# Altium PCB Fri3D_2020_03.PcbDoc (part 2 of 3) (continued)
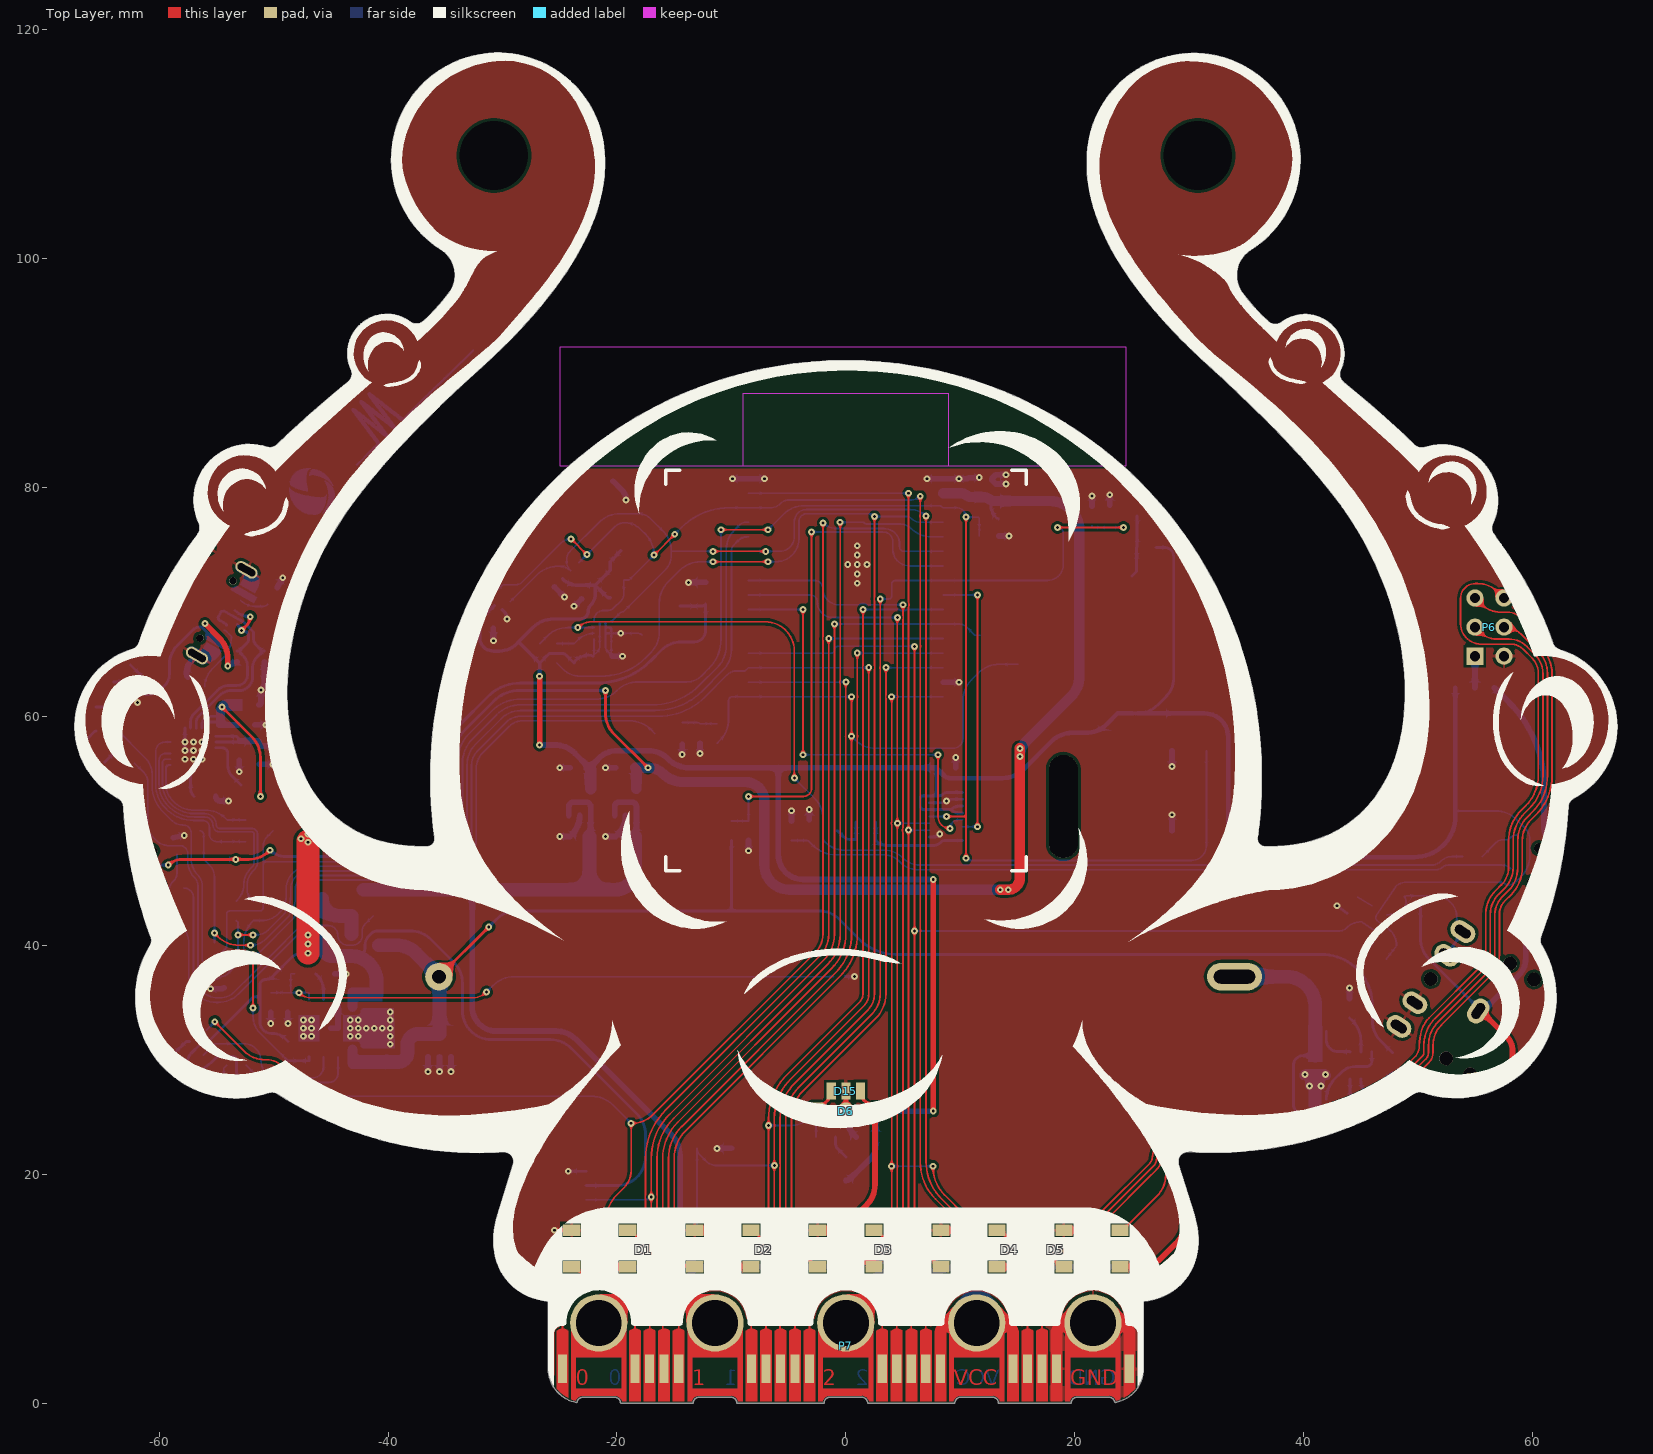
[diagram p0: Top Layer view]
## Nets (pads, with @x,y where several pads share a name; then routed paths per layer and width w, separated by ;. In a path a pad name is that pad's centre, name@x,y a point inside that pad or via, vN(x,y) a via of type N, cw(c..) or ccw(c..) an arc to the next point about the centre after c; other vN are vias at no path point) (continued)
ESP.IO26: MOD1.11 P7.3 P8.2 P9.3 | length 90.6
  Top Layer w0.15: P7.3@-18.415,3 -18.415,6.664 cw(c-16.384,6.664) -17.82,8.1 -17.615,8.305 ccw(c-19.1,9.79) -17,9.79 v1(-17,18) -17,21.385 cw(c-11.583,21.385) -15.413,25.215 -1.926,38.702 ccw(c-4.163,40.939) -1,40.939 -1,66.628 ccw(c-1.5,66.788) -1,66.948 v1(-1,68.058)
  Bottom Layer w0.15: P9.3@-22.7,17.75 -17.604,17.75 ccw(c-17.604,18.604) v1(-17,18) ; v1(-1,68.058) MOD1.11@8.5,68.058 9.944,68.058 cw(c9.944,67.21) 10.544,67.81 11.274,67.08 P8.2@11.75,67.08
ESP.IO27: MOD1.12 P7.2 | length 77.6
  Top Layer w0.15: P7.2@-21.59,7 -18.244,10.346 ccw(c-20.04,12.142) -17.5,12.142 -17.5,16.5 -17.5,17.84 cw(c-17,18) -17.5,18.16 -17.5,21.385 cw(c-11.583,21.385) -15.767,25.569 -2.28,39.056 ccw(c-4.163,40.939) -1.5,40.939 v1(-1.5,66.788)
  Bottom Layer w0.15: v1(-1.5,66.788) MOD1.12@8.5,66.788
ESP.IO32: MOD1.8 P7.11 R5.1 T1.1 | length 100.9
  Top Layer w0.15: P7.11@-4.445,3 -4.445,7.329 ccw(c-6.101,7.329) -4.93,8.5 cw(c-4.157,9.273) -5.25,9.273 -5.25,24.868 cw(c-1.414,24.868) -4.127,27.581 2.27,33.977 ccw(c0.506,35.74) 3,35.74 3,46.913 3,64.088 cw(c3.5,64.248) 2.975,64.248 cw(c3.5,64.248) 3,64.408 v1(3,70.25) ; v1(18.5,76.5) v1(24.25,76.5)
  Bottom Layer w0.15: v1(3,70.25) 3.75,70.25 ccw(c3.75,70.5) 4,70.5 4,71.53 cw(c4.338,71.53) 4.338,71.868 MOD1.8@8.5,71.868 17.628,71.868 ccw(c17.628,73.24) 19,73.24 19,76 ccw(c18.5,76) v1(18.5,76.5) ; R5.1@21.5,76.65 ccw(c21.65,76.65) 21.65,76.5 v1(24.25,76.5)
ESP.IO33: MOD1.9 P1.11 | length 24.6
  Top Layer w0.15: v1(11.5,50.35) v1(11.5,70.6)
  Bottom Layer w0.15: MOD1.9@8.5,70.598 11.498,70.598 v1(11.5,70.6) ; P1.11@10.188,50.35 v1(11.5,50.35)
ESP.IO34: MOD1.6 P7.1 R19.1 | length 138
  Top Layer w0.15: v1(-55.134,33.318) -52.56,30.744 ccw(c-50.764,32.54) -50.764,30 -50.626,30 cw(c-50.626,28.006) -49.217,29.417 cw(c-50.626,28.006) -49.216,29.416 v1(-47.2,27.4) ; P7.1@-24.765,3 -24.765,9.329 ccw(c-26.421,9.329) -25.25,10.5 cw(c-24.043,11.707) -25.75,11.707 -25.75,12.5 cw(c-25,12.5) -25,13.25 -23.802,13.25 ccw(c-23.802,15.79) -22.006,13.994 -21.531,14.469 ccw(c-22.79,15.727) -21.01,15.727 cw(c-17.479,15.727) -19.976,18.224 -19.368,18.832 ccw(c-20.835,20.298) -18.761,20.298 v1(-18.761,24.439) -18.656,24.439 ccw(c-18.656,26.979) -16.86,25.183 -2.633,39.409 ccw(c-4.163,40.939) -2,40.939 -2,66.628 cw(c-1.5,66.788) -2,66.948 v1(-2,76.9)
  Bottom Layer w0.15: R19.1@-55.851,32.601 v1(-55.134,33.318) ; v1(-47.2,27.4) ccw(c-45.756,28.844) -45.756,26.802 -22.176,26.802 cw(c-22.176,24.262) -20.38,26.058 v1(-18.761,24.439) ; v1(-2,76.9) ccw(c-0.793,78.107) -0.793,76.4 3.334,76.4 cw(c3.334,75.04) 4.693,75.04 4.693,74.807 ccw(c5.092,74.807) 5.092,74.408 MOD1.6@8.5,74.408
ESP.IO36: MOD1.4 P7.10 R39.2 | length 121.3
  Top Layer w0.15: v1(-11.6,73.5) v1(-6.8,73.5) ; P7.10@-5.715,3 -5.75,3.035 -5.75,20.022 -5.75,20.59 ccw(c-6.25,20.75) -5.75,20.91 -5.75,24.868 cw(c-1.414,24.868) -4.48,27.934 1.916,34.33 ccw(c0.506,35.74) 2.5,35.74 2.5,64.088 ccw(c2,64.248) 2.5,64.408 2.5,70.09 cw(c3,70.25) 2.5,70.41 v1(2.5,77.448)
  Bottom Layer w0.15: R39.2@-25.25,64.65 -24.73,64.13 ccw(c-23.209,65.652) -23.209,63.5 -21.39,63.5 ccw(c-21.39,69.028) -17.481,65.119 -17.044,65.556 ccw(c-18.84,67.352) -16.3,67.352 -16.3,69.905 cw(c-13.76,69.905) -15.556,71.701 -14.501,72.756 cw(c-12.705,70.96) -12.705,73.5 v1(-11.6,73.5) ; v1(-6.8,73.5) -6.12,73.5 ccw(c-6.12,75.52) -4.1,75.52 -4.1,77 cw(c-3.4,77) -3.4,77.7 1.891,77.7 cw(c1.891,76.839) v1(2.5,77.448) 5.343,77.448 cw(c5.343,76.943) 5.7,77.3 ccw(c6.55,78.15) 6.55,76.948 MOD1.4@8.5,76.948
ESP.IO39: MOD1.5 P7.4 | length 89.7
  Top Layer w0.15: P7.4@-17.145,3 -17.145,7.209 cw(c-16.309,7.209) -16.9,7.8 ccw(c-17.866,8.766) -16.5,8.766 -16.5,17.406 -16.5,17.84 ccw(c-17,18) -16.5,18.16 -16.5,18.839 -16.5,21.385 cw(c-11.583,21.385) -15.06,24.862 -1.573,38.348 ccw(c-4.163,40.939) -0.5,40.939 -0.5,62.84 cw(c0,63) -0.5,63.16 -0.5,67.898 ccw(c-1,68.058) -0.498,68.21 v1(-0.498,76.948)
  Bottom Layer w0.15: v1(-0.498,76.948) 1.484,76.948 cw(c1.484,76.784) 1.6,76.9 ccw(c1.841,77.141) 1.841,76.8 4.765,76.8 cw(c4.765,75.509) 5.678,76.422 ccw(c7.474,78.218) 7.474,75.678 MOD1.5@8.5,75.678
ESP.RESET: C8.1 MOD1.3 P1.8 P3.4 R8.2 SW2.1 T2.3 | length 165.9
  Top Layer w0.15: v1(-10.916,76.3) v1(-6.8,76.3) ; v1(8.8,51.25) 10.5,51.25 ; v1(10.5,47.6) 10.5,51.25 ; v1(10.5,77.4) 10.5,51.25
  Bottom Layer w0.15: P3.4@-54.958,39.228 ccw(c-54.958,39.919) -54.47,39.43 -54.2,39.7 ccw(c-54.441,39.941) -54.1,39.941 -54.1,42.7 cw(c-53.8,42.7) -53.8,43 -51.19,43 ccw(c-51.19,43.29) -50.9,43.29 -50.9,47.288 ; -50.56,49.49 ccw(c-49.74,48.67) -50.9,48.67 -50.9,47.288 ; -50.56,49.49 T2.3@-50.05,50 ; v1(-10.916,76.3) -10.916,66.692 cw(c-14.465,66.692) -11.956,64.183 -12.595,63.544 cw(c-13.907,64.856) -13.907,63 -18.198,63 ccw(c-18.198,60.46) -19.994,62.256 -20.006,62.244 cw(c-21.802,64.04) -21.802,61.5 -28.427,61.5 ccw(c-28.427,57.944) -30.941,60.459 -32.904,58.496 ccw(c-30.498,56.091) -33.9,56.091 -33.9,49.264 cw(c-35.876,49.264) -35.876,47.288 -50.9,47.288 ; v1(-6.8,76.3) -5.444,77.656 cw(c-3.648,75.86) -3.648,78.4 8.061,78.4 cw(c8.061,77.779) MOD1.3@8.5,78.218 9.682,78.218 cw(c9.682,77.4) v1(10.5,77.4) 11.5,77.4 cw(c11.5,77.25) R8.2@11.65,77.25 C8.1@11.65,75.75 ; P1.8@7.312,51.25 v1(8.8,51.25) ; v1(10.5,47.6) ccw(c10.983,48.083) 10.983,47.4 30.19,47.4 ccw(c30.19,48.71) 31.5,48.71 SW2.1@31.5,50 SW2.1@31.5,57
ESP.RXD0: MOD1.34 P3.3 R15.2 R40.2 | length 101
  Top Layer w0.15: v1(-53.1,40.9) v1(-51.8,40.9)
  Bottom Layer w0.15: R15.2@-63.75,58.9 -61.21,56.359 cw(c-62.681,54.888) -60.6,54.888 -60.6,53.885 ccw(c-57.539,53.883) -59.756,51.773 -58.825,50.842 ccw(c-58,51.667) -58,50.5 -57.883,50.5 cw(c-57.883,49.817) -57.4,50.3 cw(c-57.883,49.817) -57.2,49.817 -57.2,47.549 ccw(c-55.151,47.549) -56.6,46.1 cw(c-57.519,45.181) -56.219,45.181 -56.219,38.781 ccw(c-55.467,38.781) -55.996,38.246 ccw(c-55.402,38.84) -55.402,38 -55.354,38 ccw(c-55.354,38.854) P3.3@-54.75,38.25 ccw(c-54.75,39.9) -53.1,39.9 v1(-53.1,40.9) -53.1,42 R40.2@-53.25,42.15 ; v1(-51.8,40.9) -51.5,40.9 ccw(c-51.5,42.349) -50.476,41.324 -49.207,42.593 ccw(c-50.914,44.3) -48.5,44.3 -48.5,44.9 cw(c-46.912,44.9) -46.912,46.488 -35.876,46.488 ccw(c-35.876,49.264) -33.1,49.264 -33.1,55.746 cw(c-30.555,55.746) -32.354,57.546 -30.088,59.812 cw(c-28.427,58.151) -28.427,60.5 -16.656,60.5 ccw(c-16.656,66.308) -12.549,62.201 -10.744,64.006 ccw(c-12.54,65.802) -10,65.802 -10,74.5 cw(c-9.396,74.5) -9.823,74.927 -9.476,75.274 cw(c-8.5,74.297) MOD1.34@-8.5,75.678 -8.82,75.678 ccw(c-8.82,75.07) MOD1.34@-9.25,75.5
ESP.TXD0: MOD1.35 P3.2 R14.2 R41.2 | length 98.6
  Bottom Layer w0.15: R14.2@-62.149,55.899 -61.301,55.051 cw(c-62.029,54.324) -61,54.324 -61,50.734 ccw(c-58.969,50.734) -60.288,49.19 ccw(c-59.105,50.372) -59.105,48.7 -58.183,48.7 cw(c-58.183,48.017) -57.7,48.5 cw(c-58.183,48.017) -57.5,48.017 -57.5,47.349 ccw(c-55.451,47.349) -56.9,45.9 cw(c-57.615,45.185) -56.604,45.185 -56.604,37.911 ccw(c-55.832,37.911) -56.289,37.289 ccw(c-55.591,37.986) -55.591,37 -55.198,37 ccw(c-55.198,37.928) P3.2@-54.542,37.272 ccw(c-54.542,38.03) -54.006,37.494 -53.344,38.156 ccw(c-55.14,39.952) -52.6,39.952 -52.6,40.248 cw(c-50.06,40.248) -51.856,42.044 R41.2@-51.75,42.15 -51.05,42.15 ccw(c-51.05,44.3) -48.9,44.3 -48.9,44.9 cw(c-46.912,44.9) -46.912,46.888 -35.876,46.888 ccw(c-35.876,49.264) -33.5,49.264 -33.5,55.884 cw(c-30.442,55.884) -32.604,58.046 -30.515,60.135 cw(c-28.427,58.048) -28.427,61 -16.906,61 ccw(c-16.906,66.808) -12.799,62.701 -11.244,64.256 ccw(c-13.172,66.184) -10.446,66.184 -10.446,74.579 cw(c-8.092,74.579) -9.756,76.244 -9.25,76.75 cw(c-8.772,76.272) -8.772,76.948 MOD1.35@-8.5,76.948
GBAT: BAT1.2 C22.2 R31.1 T5.2 T5.3 U8.6 | length 26.4
  Bottom Layer w0.25: R31.1@41,30.35 39.95,30.35 ccw(c39.95,29.5) 39.1,29.5 39.1,26.1 ccw(c40,26.1) 40,25.2 41.798,25.2 ccw(c41.798,27.74) 43.594,25.944 C22.2@44.15,26.5 cw(c44.392,26.742) 44.05,26.742 U8.6@44.05,28.325
  Bottom Layer w1.2: BAT1.2@34,37.25 38.46,37.25 cw(c38.46,34.71) 41,34.71 41,32.937 cw(c40.025,32.925) 41,32.925 41,31.975 cw(c40.025,31.975) 41,31.963 R31.1@41,30.35
GND: C1.2 C2.2 C3.2 C4.2 C5.2 C6.2 C7.2 C8.2 C9.2 C10.2 C11.2 C12.1 C13.2 C14.1 C15.1 C16.2 C17.2 C18.2 C19.2 C20.2 C21.2 D1.3 D2.3 D3.3 D4.3 D5.3 D6.2 D14.2 D14.3 D15.2 J1.2 J1.4 J2.A1 J2.A12 J2.B1 J2.B12 J2.MH1 J2.MH2 J2.MH3 J2.MH4 MOD1.1 MOD1.15 MOD1.38 MOD1.39 P1.3 P1.4 P1.14 P2.1 P3.1 P4.2 P5.2 P6.2 P7.23 P7.24 P7.25 P9.5 R5.2 R16.2 R17.2 R22.2 R25.2 R26.2 R27.2 R28.2 R30.2 R31.2 R37.2 R38.2 R42.2 R47.2 SW2.2 SW3.2 SW4.3 T1.2 T4.2 T5.6 T5.7 T8.2 U1.3 U1.5 U1.6 U1.7 U1.8 U2.4 U3.5 U4.2 U4.25 U5.3 U5.9 U6.2 U7.2 | length 110
  Top Layer w0.25: v1(-25.45,15.1) D1.3@-23.95,15.1 ; D6.2@0,25.5 D15.2@0,27.25
  Top Layer w0.5: D2.3@-13.2,15.1 v1(-11.75,15.1) ; D3.3@-2.45,15.1 v1(-1.25,15.1) ; D4.3@8.3,15.1 v1(9.5,15.1) ; D5.3@19.05,15.1 v1(20.25,15.1)
  Top Layer w1: P7.23@18.415,3 18.415,6.086 cw(c19.329,6.086) 19.329,7 P7.24@21.59,7 23.851,7 cw(c23.851,6.086) 24.765,6.086 P7.25@24.765,3
  Bottom Layer w0.15: U1.3@-21,68.25 -21,67.75 ; P5.2@-17.79,67.08 ccw(c-18.2,66.67) -18.2,67.25 v1(-19.671,67.25) U1.6@-20.5,67.25 ; -21,67.25 -21,67.75 ; -21,67.25 U1.8@-21,66.75 -21,66.121 ccw(c-20.346,66.121) -20.809,65.659 C2.2@-20.4,65.25 cw(c-20.159,65.491) -20.5,65.491 U1.7@-20.5,66.75 U1.6@-20.5,67.25 ; -21,67.25 U1.6@-20.5,67.25 ; -21,67.75 U1.5@-20.5,67.75 U1.6@-20.5,67.25
  Bottom Layer w0.25: R16.2@-62.601,61.899 v1(-61.896,61.194) ; U4.2@-57.75,58.975 v1(-57.75,57) v1(-57,57) ; v1(-24.25,20.25) P9.5@-22.7,20.25 ; R27.2@-0.048,37.252 -0.046,37.25 v1(0.75,37.25) ; P1.14@7.312,49.45 7.596,49.45 ccw(c7.596,50.304) v1(8.2,49.7) ; P1.4@7.312,52.45 8.438,52.45 ccw(c8.438,52.962) v1(8.8,52.6) cw(c9.162,52.238) 9.162,52.75 P1.3@10.188,52.75 ; v1(42.9,43.45) R47.2@43.775,42.795
  Bottom Layer w0.3: U3.5@-30.023,69.316 -29.878,69.17 cw(c-30.548,68.5) v1(-29.6,68.5)
  Bottom Layer w0.5: SW4.3@-58.753,49.396 v1(-57.8,49.6) ; R37.2@-57.486,63.425 cw(c-57.211,63.7) -57.6,63.7 -57.6,63.9 cw(c-56.38,63.9) -57.243,64.763 J2.MH1@-56.691,65.315 ; v1(-55.5,36.2) -54.56,36.2 ccw(c-54.56,36.52) P3.1@-54.334,36.294 ; C15.1@-55.05,53 ccw(c-54.65,53) -54.65,52.6 v1(-53.95,52.6) ; v1(-53,55.15) C11.2@-53,56.15 ; C13.2@-51.65,59.25 v1(-50.65,59.25) ; C14.1@-51.3,61 ccw(c-51.3,61.2) -51.1,61.2 v1(-51.1,62.3) ccw(c-51.824,63.024) -50.8,63.024 D14.3@-50.8,63.8 D14.2@-50.8,64.75 ; C12.1@-51.25,55.8 v1(-50.05,55.8) ; v1(-50.25,33.15) R25.2@-50.25,34.15 ; R38.2@-49.675,71.236 v1(-49.2,72.1) ; v1(-48.75,33.15) R26.2@-48.75,34.15 ; U5.9@-45,32.75 -44.365,32.75 U5.3@-44.365,35.25 ; R22.2@-44.65,37.5 v1(-43.65,37.5) ; v1(-36.5,28.95) P4.2@-36.5,30.25 ; v1(-35.5,28.95) P4.2@-35.5,30.25 ; v1(-34.5,28.95) P4.2@-34.5,30.25 ; v1(-30.799,66.599) C3.2@-30.799,67.699 ; P2.1@-25.457,71.293 v1(-24.596,70.432) ; v1(-25,49.5) C20.2@-24.1,49.5 -23.94,49.66 ccw(c-25.604,51.325) U7.2@-23.25,51.325 ; v1(-25,55.5) C21.2@-24.1,55.5 ; v1(-23.737,69.613) C6.2@-23.101,70.249 ; v1(-21,49.5) C18.2@-20.1,49.5 -19.94,49.66 ccw(c-21.604,51.325) U6.2@-19.25,51.325 ; v1(-21,55.5) C19.2@-20.1,55.5 ; C2.2@-20.4,65.25 v1(-19.5,65.25) ; U2.4@-20.35,80.544 -19.549,79.743 cw(c-20.393,78.9) v1(-19.2,78.9) ; v1(-14.3,56.65) T4.2@-14.3,57.55 ; v1(-13.75,71.7) C1.2@-12.25,71.7 ; v1(-12.75,56.75) R28.2@-12.75,57.65 ; v1(-11.25,22.25) SW3.2@-10,22.25 ; v1(-9.9,80.758) MOD1.38@-8.5,80.758 v1(-7.1,80.758) ; v1(-8.5,48.25) R17.2@-8.5,49.15 ; R42.2@-4.75,50.85 v1(-4.75,51.75) ; T8.2@-3.2,50.95 v1(-3.2,51.85) ; D6.2@0,25.5 0,25.202 ccw(c2.54,25.202) 0.744,23.406 C7.2@0.9,23.25 ; v1(7.1,80.758) MOD1.1@8.5,80.758 v1(9.9,80.758) 10.528,80.758 ccw(c10.528,81.072) C9.2@10.75,80.85 v1(11.65,80.85) ; MOD1.15@8.5,62.978 v1(9.9,62.978) ; C4.2@9.6,55.5 v1(9.6,56.4) ; C8.2@13.35,75.75 v1(14.25,75.75) ; v1(14,80.3) 13.1,80.3 12.75,80.65 C10.2@12.75,80.7 12.75,80.75 13.1,81.1 v1(14,81.1) ; R5.2@21.5,78.35 v1(21.5,79.25) ; T1.2@23.05,78.45 v1(23.05,79.35) ; SW2.2@28.5,50 v1(28.5,51.4) ; v1(28.5,55.6) SW2.2@28.5,57 ; R30.2@44,35.35 v1(44,36.25)
  other v1: 40.5,27.7 41.5,27.7 40.1,28.7 41.9,28.7 -39.8,31.35 -47.4,32.05 -46.7,32.05 -43.3,32.05 -42.6,32.05 -39.8,32.05 -47.4,32.75 -46.7,32.75 -43.3,32.75 -42.6,32.75 -41.9,32.75 -41.2,32.75 -40.5,32.75 -39.8,32.75 -47.4,33.45 -46.7,33.45 -43.3,33.45 -42.6,33.45 -39.8,33.45 -39.8,34.15 -57.75,56.25 -57,56.25 -56.25,56.25 -56.25,57 -57.75,57.75 -57,57.75 -56.25,57.75 1,71.619 1,72.419 0.16,73.26 1,73.26 1.84,73.26 1,74.1 1,74.9
I2C.SCL: MOD1.36 P2.4 P6.4 P7.21 R10.2 U1.1 U2.6 U3.2 | length 223.3
  Top Layer w0.15: v1(-24,75.5) v1(-22.625,74.125) ; v1(-16.75,74.096) v1(-14.946,75.9) ; v1(6.5,79.218) 6.5,77.66 ccw(c7,77.5) 6.475,77.5 ccw(c7,77.5) 6.5,77.34 6.5,66.271 cw(c6,66.111) 6.525,66.111 cw(c6,66.111) 6.5,65.951 6.5,41.41 cw(c6,41.25) 6.5,41.09 6.5,21.052 ccw(c11.062,21.052) 7.836,17.826 9.761,15.902 cw(c8.459,14.6) 10.3,14.6 10.3,12.52 ccw(c12.62,12.52) 12.62,10.2 15.564,10.2 cw(c15.564,9.711) v1(15.909,10.057) 15.934,10.032 cw(c15.001,9.1) 16.32,9.1 16.32,8.283 cw(c15.637,8.283) 16.12,7.8 ccw(c16.711,7.209) 15.875,7.209 P7.21@15.875,3 ; v1(17.462,10.057) 19.807,10.057 ccw(c19.807,12.5) 22.25,12.5 22.25,14.448 cw(c24.79,14.448) 22.994,16.244 26.293,19.543 ; 26.293,19.543 ccw(c24.586,21.25) 26.295,19.545 27.148,20.398 ccw(c26.131,21.416) 27.546,21.154 ccw(c26.131,21.416) 27.57,21.416 27.571,21.424 27.607,21.62 ; 27.607,21.621 cw(c28.517,21.453) 27.608,21.622 cw(c29.058,21.354) 27.625,21.704 cw(c28.014,21.61) 27.626,21.706 cw(c29.058,21.354) 27.67,21.854 cw(c29.058,21.354) 27.712,21.957 ; 27.713,21.959 27.718,21.971 27.78,22.109 27.797,22.147 ; 27.798,22.148 cw(c28.641,21.768) 27.798,22.15 cw(c29.143,21.543) 27.846,22.246 ; 27.846,22.246 cw(c29.143,21.543) 27.856,22.264 cw(c29.143,21.543) 27.908,22.35 cw(c29.143,21.543) 27.927,22.378 cw(c28.69,21.855) 27.928,22.379 27.949,22.41 ; 27.949,22.41 27.987,22.465 ; 27.987,22.465 cw(c28.316,22.238) 27.988,22.466 ; 27.988,22.467 cw(c29.202,21.628) 28.028,22.521 cw(c29.202,21.628) 28.096,22.604 ; 28.097,22.605 28.164,22.682 cw(c28.858,22.07) 28.166,22.684 cw(c29.27,21.706) 28.218,22.739 cw(c29.27,21.706) 28.285,22.804 cw(c29.27,21.706) 28.358,22.865 ; 28.359,22.866 28.4,22.898 28.52,22.993 cw(c29.093,22.267) 28.523,22.995 cw(c29.433,21.834) 28.828,23.179 28.985,23.25 29.012,23.263 cw(c29.622,21.92) 29.355,23.37 ; 29.355,23.37 29.375,23.374 cw(c29.449,22.981) 29.376,23.374 29.554,23.407 ; 29.555,23.407 cw(c29.826,21.957) 29.823,23.432 29.923,23.433 cw(c29.929,21.958) 30.023,23.43 ; 30.025,23.43 30.638,23.391 30.744,23.388 ; 30.744,23.388 30.824,23.386 31.019,23.381 31.038,23.381 33.178,23.381 33.893,23.418 34.507,23.457 35.567,23.553 36.725,23.703 38.412,24.002 39.216,24.17 39.813,24.319 40.411,24.469 41.596,24.821 41.857,24.91 44.36,25.865 45.05,26.168 46.161,26.712 47.248,27.301 47.964,27.729 ; 47.965,27.73 48.049,27.78 48.347,27.96 48.708,28.197 48.827,28.275 ; 48.828,28.276 cw(c49.635,27.041) 48.854,28.292 cw(c49.067,27.953) 48.856,28.293 cw(c49.635,27.041) 48.913,28.327 48.979,28.364 50.677,30.062 ccw(c50.141,30.6) 50.9,30.6 50.9,31.248 cw(c53.84,31.248) 51.119,32.36 cw(c53.84,31.248) 51.761,33.326 ; 51.761,33.326 56.072,37.638 ; 56.072,37.638 ccw(c54.56,39.152) 56.444,38.138 56.563,38.399 ccw(c54.56,39.152) 56.7,39.152 56.7,42.693 cw(c58.807,42.693) 57.317,44.183 57.839,44.705 ccw(c55.76,46.783) 58.7,46.783 58.7,49.148 cw(c61.64,49.148) 59.561,51.227 60.01,51.676 ccw(c56.896,54.79) 61.3,54.79 61.3,63.734 ccw(c58.569,63.734) 60.5,65.666 58.995,67.171 ccw(c57.5,65.676) P6.4@57.5,67.79
  Bottom Layer w0.15: U3.2@-30.377,71.084 -30.074,71.386 cw(c-29.8,71.112) -29.8,71.5 -28.783,71.5 ccw(c-28.783,72.183) -28.3,71.7 -24.854,75.146 cw(c-24,74.293) v1(-24,75.5) ; P2.4@-23.336,73.414 -20.151,76.599 cw(c-19.424,75.871) -19.424,76.9 -19.236,76.9 cw(c-19.236,75.128) -17.983,76.381 U2.6@-17.854,76.252 -17.494,75.892 cw(c-19.29,74.096) v1(-16.75,74.096) -18.947,71.899 R10.2@-19.399,71.899 -19.399,70.676 cw(c-20.203,70.676) -19.634,70.107 -20.309,69.433 cw(c-20.75,69.874) -20.75,69.25 -21.146,69.25 ccw(c-21.146,68.396) -21.75,69 ccw(c-21.146,68.396) -22,68.396 U1.1@-22,68.25 ; v1(-14.946,75.9) -14.356,76.49 cw(c-10.184,72.317) -10.184,78.218 MOD1.36@-8.5,78.218 -6.622,78.218 ccw(c-6.622,79.522) -5.7,78.6 cw(c-4.976,77.876) -4.976,78.9 5.732,78.9 ccw(c5.732,79.986) v1(6.5,79.218) ; v1(15.909,10.057) v1(17.462,10.057)
I2C.SDA: MOD1.33 P2.3 P6.3 P7.22 R9.2 U1.4 U2.5 U3.4 | length 224.4
  Top Layer w0.15: v1(-11.6,74.408) v1(-7,74.408) ; v1(7,77.5) 7,21.114 ccw(c11.62,21.114) 8.353,17.847 10.029,16.171 cw(c8.459,14.6) 10.68,14.6 10.68,12.52 ccw(c12.6,12.52) 12.6,10.6 16.7,10.6 ; P7.22@17.145,3 17.145,7.209 ccw(c16.309,7.209) 16.9,7.8 cw(c17.383,8.283) 16.7,8.283 16.7,10.6 ; 27.347,22.12 ccw(c29.058,21.354) 27.294,21.99 ccw(c29.058,21.354) 27.237,21.802 ccw(c28.014,21.61) 27.236,21.798 ccw(c29.058,21.354) 27.214,21.695 ccw(c28.517,21.453) 27.214,21.693 ccw(c27.607,21.62) 27.214,21.692 27.202,21.628 27.179,21.504 27.178,21.496 cw(c25.966,21.496) 27.147,21.225 cw(c25.966,21.496) 26.823,20.639 22.494,16.31 ccw(c24.29,14.514) 21.844,15.2 ccw(c24.29,14.514) 21.75,14.514 21.75,12.5 cw(c19.85,12.5) 19.85,10.6 16.7,10.6 ; 27.347,22.121 cw(c28.077,21.795) 27.348,22.123 27.353,22.135 cw(c28.083,21.808) 27.354,22.136 27.415,22.272 27.433,22.311 cw(c27.797,22.147) 27.433,22.313 cw(c28.641,21.768) 27.434,22.314 cw(c29.143,21.543) 27.46,22.37 cw(c29.143,21.543) 27.494,22.436 ; 27.495,22.437 cw(c29.143,21.543) 27.507,22.459 cw(c27.856,22.264) 27.508,22.46 cw(c29.143,21.543) 27.559,22.547 cw(c29.143,21.543) 27.573,22.568 cw(c27.908,22.35) 27.574,22.57 cw(c29.143,21.543) 27.597,22.604 cw(c28.69,21.855) 27.598,22.606 ; 27.599,22.607 27.619,22.636 ; 27.62,22.637 27.658,22.692 ; 27.658,22.693 cw(c28.316,22.238) 27.659,22.694 ; 27.66,22.695 cw(c29.202,21.628) 27.709,22.763 cw(c28.028,22.521) 27.71,22.764 cw(c29.202,21.628) 27.795,22.869 cw(c28.396,22.34) 27.797,22.871 27.864,22.946 ; 27.865,22.947 cw(c28.858,22.07) 27.867,22.95 cw(c29.27,21.706) 27.931,23.019 cw(c28.218,22.739) 27.933,23.02 cw(c29.27,21.706) 28.017,23.101 ; 28.018,23.102 cw(c29.27,21.706) 28.111,23.18 cw(c28.606,22.551) 28.112,23.181 28.152,23.212 28.273,23.307 ; 28.273,23.307 cw(c29.093,22.267) 28.277,23.31 cw(c29.433,21.834) 28.415,23.409 cw(c29.433,21.834) 28.594,23.511 cw(c29.433,21.834) 28.664,23.544 28.82,23.615 cw(c29.151,22.887) 28.823,23.616 28.847,23.627 cw(c29.622,21.92) 29.281,23.763 cw(c29.427,22.977) 29.283,23.764 29.301,23.767 cw(c29.449,22.981) 29.304,23.768 29.479,23.8 cw(c29.627,23.014) 29.481,23.8 cw(c29.725,22.498) 29.482,23.801 cw(c29.826,21.957) 29.822,23.832 ; 29.824,23.832 29.92,23.833 cw(c29.929,21.958) 30.048,23.829 ; 30.051,23.829 30.302,23.813 30.656,23.79 30.753,23.788 cw(c30.734,22.988) 30.755,23.788 30.833,23.786 31.029,23.781 31.043,23.781 33.167,23.781 33.87,23.818 34.476,23.856 35.523,23.951 36.665,24.099 38.336,24.395 39.126,24.56 39.716,24.707 40.305,24.855 41.474,25.202 41.72,25.287 44.208,26.235 44.882,26.531 45.978,27.067 47.05,27.649 47.758,28.072 cw(c48.169,27.386) 47.76,28.074 47.843,28.123 48.134,28.299 48.488,28.531 cw(c48.928,27.863) 48.491,28.533 48.606,28.609 cw(c49.046,27.94) 48.609,28.61 ; 48.609,28.611 cw(c49.635,27.041) 48.642,28.632 cw(c49.067,27.953) 48.645,28.633 cw(c49.635,27.041) 48.717,28.676 48.735,28.686 50.393,30.344 cw(c50.677,30.062) 50.394,30.345 ; 50.395,30.346 ccw(c50.141,30.6) 50.5,30.6 50.5,31.248 cw(c53.84,31.248) 50.748,32.51 cw(c51.119,32.36) 50.749,32.513 cw(c53.84,31.248) 51.477,33.609 ; 51.479,33.61 55.788,37.92 ; P6.3@54.96,67.79 55.406,67.344 ccw(c56.851,68.789) 56.851,66.745 57.942,66.745 cw(c57.942,64.542) 59.5,66.1 60.217,65.383 cw(c58.569,63.734) 60.9,63.734 60.9,54.79 cw(c56.896,54.79) 59.727,51.959 59.278,51.51 ccw(c61.64,49.148) 58.3,49.148 58.3,46.783 cw(c55.76,46.783) 57.556,44.987 57.034,44.466 ccw(c58.807,42.693) 56.3,42.693 56.3,39.152 cw(c54.56,39.152) 56.193,38.552 56.086,38.316 cw(c54.56,39.152) 55.79,37.921
  Bottom Layer w0.15: U3.4@-29.316,70.023 -26.983,72.356 cw(c-25.187,70.56) -25.187,73.1 -24.991,73.1 cw(c-24.991,71.759) P2.3@-24.043,72.707 cw(c-23.21,73.54) -24.388,73.54 ; -24.388,73.54 cw(c-23.37,73.677) -24.096,74.404 -21.544,76.956 cw(c-19.748,75.16) -19.748,77.7 -18.102,77.7 cw(c-18.102,76.262) U2.5@-17.085,77.279 ; U1.4@-20.5,68.25 -19.744,69.006 cw(c-19.399,68.661) R9.2@-19.399,69.149 -15.817,72.731 ccw(c-17.186,74.1) -15.25,74.1 -15.25,74.408 ; U2.5@-17.085,77.279 U2.5@-16.956,77.15 -15.916,76.11 cw(c-17.529,74.498) -15.25,74.408 ; v1(-11.6,74.408) -15.25,74.408 ; MOD1.33@-8.5,74.408 v1(-7,74.408) -5.79,74.408 ccw(c-5.79,75.698) -4.5,75.698 -4.5,77 cw(c-3.432,77) -3.432,78.068 5.63,78.068 cw(c5.63,76.13) v1(7,77.5)
LCD.LED_K: R6.2 R43.2 T8.3 | length 3.5
  Bottom Layer w0.25: T8.3@-0.8,50 -0.721,50 -0.166,49.446 ccw(c0.305,49.918) 0.306,49.25 R43.2@0.9,49.25 R6.2@0.9,50.75
LED.DOUT: D5.2 P6.5 | length 81.5
  Top Layer w0.15: D5.2@23.95,15.1 ccw(c23.95,15.678) 24.359,15.269 27.202,18.112 ccw(c25.406,19.909) 27.946,19.909 27.946,21.127 ; 27.947,21.098 cw(c29.021,21.15) 27.946,21.127 ; 28.077,21.794 ccw(c29.058,21.354) 28.014,21.61 ccw(c29.058,21.354) 28.001,21.549 ccw(c28.517,21.453) 28.001,21.548 27.963,21.344 ccw(c28.48,21.249) 27.963,21.343 ccw(c29.021,21.15) 27.946,21.127 ; 28.077,21.795 28.083,21.808 28.162,21.984 cw(c28.641,21.768) 28.163,21.985 cw(c29.143,21.543) 28.198,22.055 cw(c29.143,21.543) 28.257,22.151 cw(c28.69,21.855) 28.258,22.153 28.279,22.183 28.316,22.238 cw(c28.749,21.94) 28.317,22.24 cw(c29.202,21.628) 28.396,22.34 ; 28.396,22.34 28.465,22.418 ; 28.466,22.419 cw(c29.27,21.706) 28.606,22.551 28.769,22.679 cw(c29.093,22.267) 28.77,22.68 cw(c29.433,21.834) 28.992,22.814 29.151,22.887 29.178,22.899 cw(c29.622,21.92) 29.427,22.977 29.449,22.981 29.627,23.014 cw(c29.826,21.957) 29.823,23.032 29.926,23.033 cw(c29.929,21.958) 29.998,23.03 ; 29.999,23.03 30.621,22.991 30.734,22.988 30.814,22.986 31.033,22.981 33.188,22.981 33.916,23.019 34.537,23.058 35.611,23.155 36.786,23.308 38.488,23.609 39.305,23.78 39.91,23.931 40.516,24.084 41.718,24.44 42.904,24.846 44.071,25.302 45.214,25.803 cw(c45.427,25.323) 45.216,25.804 45.219,25.805 46.344,26.356 47.446,26.954 48.169,27.386 48.255,27.437 48.56,27.622 48.928,27.863 49.046,27.94 ; 49.047,27.941 cw(c49.635,27.041) 49.067,27.953 cw(c49.635,27.041) 49.109,27.978 49.198,28.029 cw(c49.727,27.093) 49.222,28.042 50.96,29.78 ccw(c50.141,30.6) 51.3,30.6 51.3,31.248 cw(c53.84,31.248) 52.044,33.044 56.356,37.356 ccw(c54.56,39.152) 57.1,39.152 57.1,42.693 cw(c58.807,42.693) 57.6,43.9 58.122,44.422 ccw(c55.76,46.783) 59.1,46.783 59.1,49.148 cw(c61.64,49.148) 59.844,50.944 60.293,51.393 ccw(c56.896,54.79) 61.7,54.79 61.7,63.734 ccw(c58.569,63.734) 60.783,65.949 59.561,67.171 cw(c60.19,67.8) 59.3,67.8 ccw(c58.146,67.8) 58.962,68.616 ccw(c57.793,67.446) 57.793,69.1 57.2,69.1 cw(c57.2,71.538) 55.476,69.814 P6.5@54.96,70.33
NetBUZ1_2: BUZ1.2 R1.2 T1.3 | length 5.4
  Bottom Layer w0.25: BUZ1.2@25,72.25 25.4,72.65 R1.2@25.4,74.75 25.45,74.8 T1.3@25.45,77.5